# Altium PCB DIOT_temperature_logger.PcbDoc (part 6 of 8)
Units mm, origin at the board's own origin, x right, y up, seen from the top; angles counter-clockwise.
Board outline 300.88 x 109 mm, 4 copper layers (TOP, MID1, MID2, BOT), stack 1.564 mm thick; 654 components, 622 nets, 3422 pads, 1095 vias.
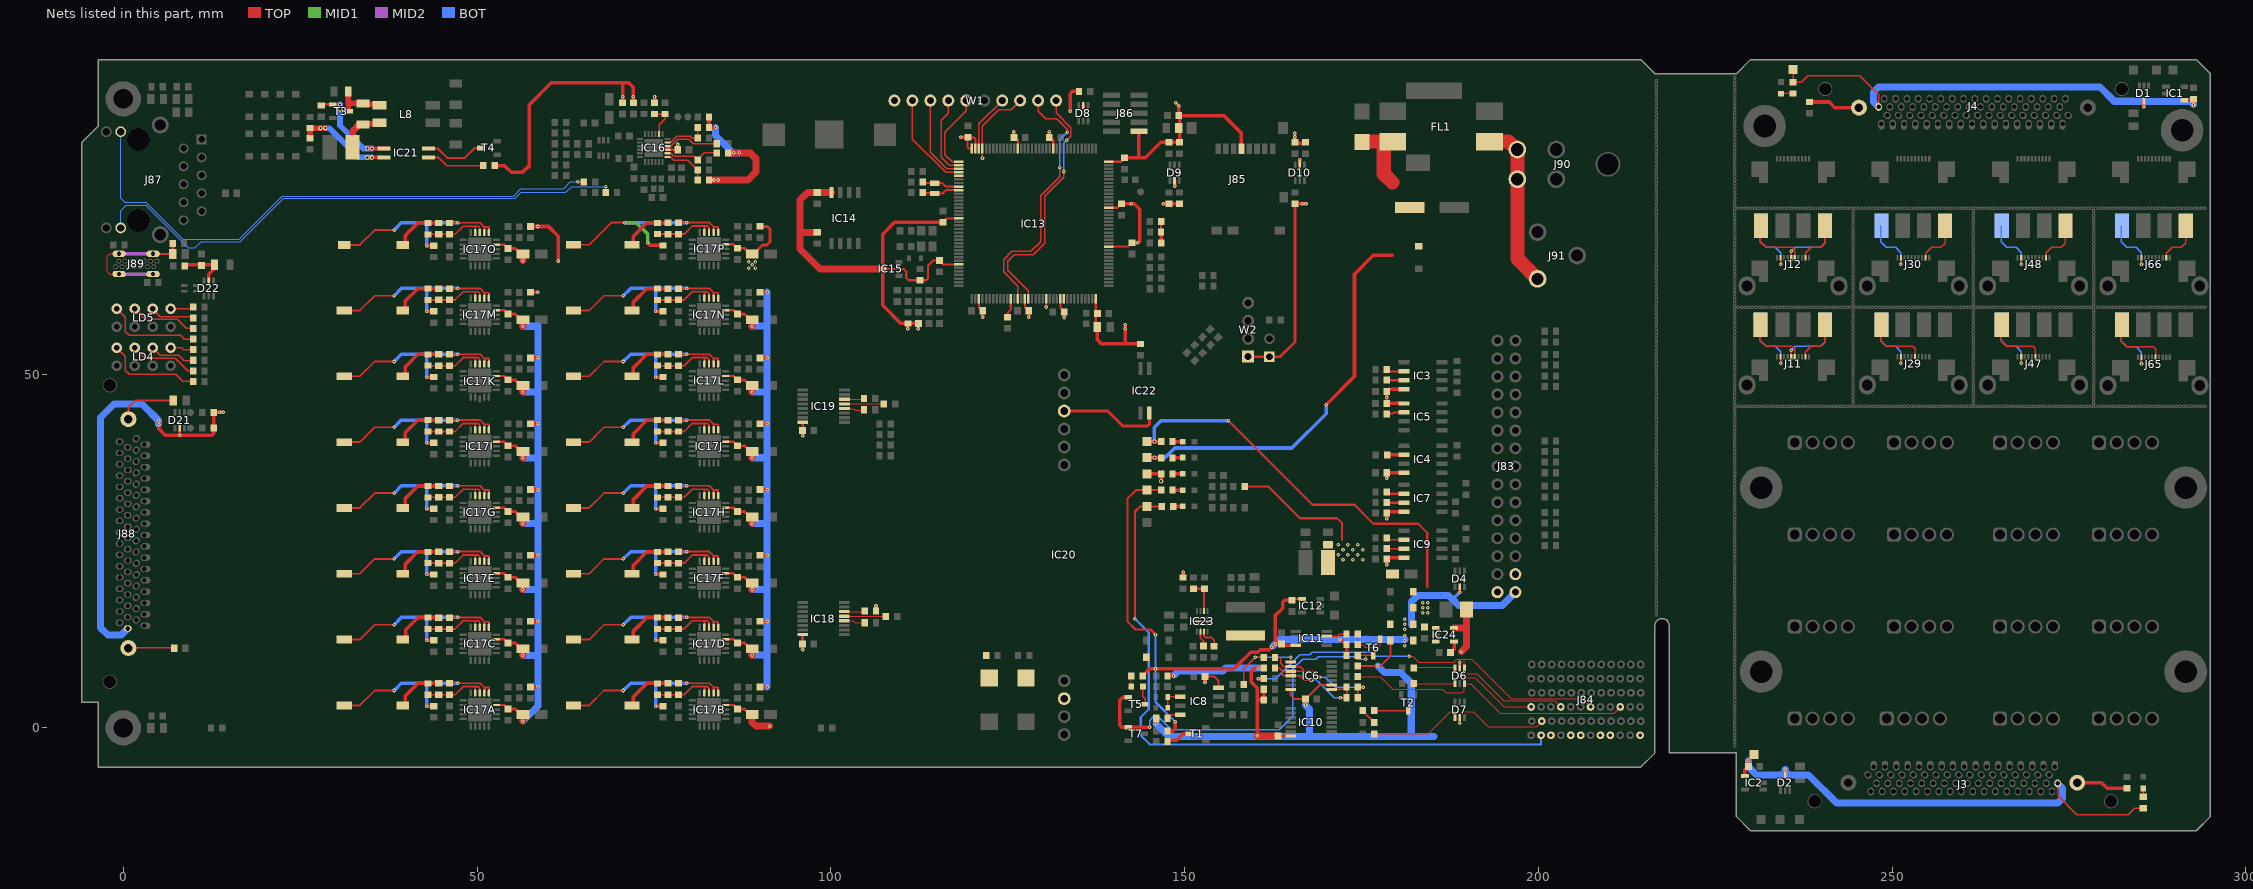
[diagram p8: the nets of this part, all layers, seen from the top]

## Via types
v1: diameter 0.5, hole 0.2, TOP to BOT, tented both sides, 913 vias
v2: diameter 0.5, hole 0.2, TOP to BOT, 98 vias
v3: diameter 0.6, hole 0.3, TOP to BOT, tented both sides, 84 vias

## Nets (pads, with @x,y where several pads share a name; then routed paths per layer and width w, separated by ;. In a path a pad name is that pad's centre, name@x,y a point inside that pad or via, vN(x,y) a via of type N, cw(c..) or ccw(c..) an arc to the next point about the centre after c; other vN are vias at no path point) (continued)
NetC69_2: C69.2 J88.70 | length 8.4
  TOP w0.254: J88.70@0.73,43.625 0.73,45.3 1.68,46.25 C69.2@7.08,46.25
NetC72_2: C72.2 J89.SHIELD R140.1 | length 19.6
  TOP w0.152: J89.SHIELD@-0.59,64.13 -1.925,64.13 -2.27,64.475 -2.27,66.625 -1.905,66.99 J89.SHIELD@-0.59,66.99 ; C72.2@6.94,66.99 C72.2@6.98,66.99
  TOP w0.3: J89.SHIELD@4.21,66.99 C72.2@6.94,66.99
  TOP w0.5: C72.2@6.98,66.99 R140.1@6.98,68.45
  MID2 w0.5: J89.SHIELD@-0.59,64.13 J89.SHIELD@4.21,64.13 ; J89.SHIELD@-0.59,66.99 J89.SHIELD@4.21,66.99
NetC73_2: C73.2 D22.5 F1.2 L5.1 | length 6.7
  TOP w0.5: L5.1@8.68,65.45 11.08,65.45 F1.2@12.78,65.45 ; D22.5@12.08,63.2 12.08,64.125 12.905,64.95 F1.2@12.905,65.45
NetC74_1: C74.1 L8.1 R147.2 T3.3 | length 6.9
  TOP w0.8: R147.2@31.78,89.55 31.78,88.25 ; T3.3@31.805,87.25 31.805,87.275 31.78,87.3 31.78,88.25 ; L8.1@36.23,88.02 36.115,88.135 33.995,88.135 C74.1@33.88,88.25 31.78,88.25
NetC74_2: C74.2 L7.2 L8.2 | length 6.2
  TOP w0.8: C74.2@33.995,85.365 36.115,85.365 L8.2@36.23,85.48
  TOP w1: L7.2@32.38,82.05 L7.2@32.712,82.382 ; L7.2@32.405,82.75 32.405,84.299 33.357,85.25 C74.2@33.88,85.25
NetC79_2: C79.2 IC23.9 | length 2.2
  TOP w0.254: IC23.9@152.23,13.6 152.23,12.7 152.68,12.25 C79.2@152.68,11.55
NetC93_2: C93.2 IC24.4 | length 1.7
  TOP w0.5: C93.2@187.58,10.65 188.08,11.15 IC24.4@188.08,12.15
NetD3_2: D3.2 D5.2 IC8.2 | length 3.1
  TOP w0.2: D3.2@147.63,3.15 147.63,4.45 147.695,4.385 IC8.2@149.38,4.385
NetD6_1: D6.1 J84.L3 R53.1 | length 19
  TOP w0.152: R53.1@182.38,6.25 D6.1@188.23,6.25 188.23,6.85 188.455,7.075 191.065,7.075 195.19,2.95 J84.L3@199.019,2.95
NetD6_3: D6.3 J84.C3 R47.1 | length 41.3
  TOP w0.152: R47.1@174.48,7.25 177.655,7.25 179.43,5.475 186.43,5.475 186.955,4.95 189.205,4.95 189.53,5.275 D6.3@189.53,6.25 190.47,6.25 194.641,2.079 196.426,2.079 196.43,2.075 209.305,2.075 209.309,2.079 210.748,2.079 J84.C3@211.619,2.95
NetD6_4: D6.4 J84.F3 R48.1 | length 54.2
  TOP w0.152: v1(181.755,10.125) 182.23,10.125 183.08,9.275 188.005,9.275 188.455,9.725 189.53,9.725 ; D6.4@189.53,8.45 189.53,9.725 ; J84.F3@207.419,2.95 206.244,4.125 202.439,4.125 202.435,4.129 196.176,4.129 190.58,9.725 189.53,9.725
  TOP w0.5: v1(160.43,6.95) R48.1@161.18,6.95
  BOT w0.2: v1(160.43,6.95) 162.855,6.95 166.255,10.35 167.705,10.35 168.055,10.7 172.805,10.7 176.305,10.7 176.896,10.109 181.739,10.109 v1(181.755,10.125)
NetD6_6: D6.6 J84.I3 R49.1 | length 23.6
  TOP w0.152: R49.1@182.38,8.45 182.48,8.55 188.13,8.55 D6.6@188.23,8.45 188.23,7.85 188.43,7.65 191.28,7.65 195.08,3.85 202.319,3.85 J84.I3@203.219,2.95
NetD7_4: D7.4 J84.K2 R52.1 | length 27.1
  TOP w0.152: R52.1@176.78,-0.85 184.43,-0.85 187.559,2.279 188.23,2.279 ; D7.4@188.23,1.45 188.23,2.279 ; J84.K2@200.519,0.95 199.742,0.173 192.887,0.173 190.781,2.279 188.23,2.279
NetIC3_6: IC3.6 R13.2 | length 2.4
  TOP w0.3: R13.2@178.615,50.385 IC3.6@180.98,50.385
NetIC3_7: IC3.7 R9.2 | length 2
  TOP w0.3: R9.2@178.93,49.115 IC3.7@180.98,49.115
NetIC4_6: IC4.6 R22.2 | length 2.4
  TOP w0.2: R22.2@178.615,38.585 R22.2@178.65,38.62
  TOP w0.5: R22.2@178.615,38.585 IC4.6@180.98,38.585
NetIC5_2: IC5.2 R27.2 | length 2.5
  TOP w0.3: R27.2@178.58,44.45 179.445,44.45 179.58,44.585 IC5.2@180.98,44.585
NetIC6_1: IC6.1 IC6.11 R28.1 R37.1 R38.1 | length 15.8
  TOP w0.2: R28.1@162.78,8.45 163.43,8.45 163.805,8.075 163.805,7.575 164.03,7.35 IC6.11@164.98,7.35 166.255,7.35 166.88,6.725 v1(167.93,6.725) ; IC6.1@170.78,5.4 170.83,5.45 172.58,5.45 R37.1@172.88,5.75 ; v1(172.03,4.25) R38.1@172.88,4.25 ; R38.1@172.88,4.45 R37.1@172.88,5.75 ; R37.1@172.88,5.85 R37.1@172.88,5.75
  BOT w0.2: v1(167.93,6.725) 168.705,6.725 171.18,4.25 v1(172.03,4.25)
NetIC6_8: IC6.8 R35.1 R43.1 | length 11.4
  TOP w0.2: R35.1@158.38,6.15 158.38,8.377 v1(159.953,9.95) ; v1(159.953,9.95) R43.1@161.18,9.95 ; IC6.8@164.98,9.3 v1(164.98,9.95)
  BOT w0.2: v1(159.953,9.95) v1(164.98,9.95)
NetIC6_9: IC6.9 IC6.10 R37.2 R38.2 R43.2 | length 18.6
  TOP w0.2: R43.2@162.78,9.95 163.38,9.95 163.58,9.75 163.58,9.1 164.03,8.65 IC6.9@164.98,8.65 166.355,8.65 166.73,8.275 166.73,8 ; IC6.10@164.98,8 166.73,8 ; v1(169.105,7.175) 168.28,8 166.73,8 ; R38.2@174.48,4.45 R37.2@174.48,5.75 R37.2@174.48,5.85
  TOP w0.5: R37.2@174.48,5.75 v1(175.23,5.75)
  BOT w0.2: v1(169.105,7.175) 169.905,7.175 171.33,5.75 v1(175.23,5.75)
NetIC7_6: IC7.6 R36.2 | length 2.4
  TOP w0.3: R36.2@178.58,33.15 R36.2@178.615,33.185 ; R36.2@178.615,33.085 IC7.6@180.98,33.085
NetIC7_7: IC7.7 R31.2 | length 2.4
  TOP w0.3: R31.2@178.58,31.85 178.615,31.815 IC7.7@180.98,31.815
NetIC8_4: IC8.4 R32.2 | length 2
  TOP w0.2: R32.2@147.58,1.35 148.075,1.845 IC8.4@149.38,1.845
NetIC9_6: IC9.6 R45.2 | length 2.4
  TOP w0.2: R45.2@178.58,26.45 R45.2@178.615,26.485 ; R45.2@178.615,26.585 IC9.6@180.98,26.585
NetIC9_7: IC9.7 R42.2 | length 2.4
  TOP w0.2: R42.2@178.58,25.35 178.615,25.315 IC9.7@180.98,25.315
NetIC11_3: IC11.3 R167.1 | length 2.9
  TOP w0.2: IC11.3@170.08,12.975 171.605,12.975 171.88,13.25 R167.1@172.88,13.25
NetIC13_48: IC13.48 R64.1 | length 2.8
  TOP w0.3: R64.1@124.98,58.05 124.98,58.65 125.43,59.1 IC13.48@125.43,60.625
NetIC16_7: IC16.7 R93.1 R100.2 | length 6.5
  TOP w0.2: IC16.7@76.88,80.7 77.33,80.7 77.805,80.225 79.755,80.225 81.155,78.825 R100.2@81.18,78.85 R93.1@81.18,77.425
NetIC16_8: IC16.8 R94.1 R98.2 | length 7.9
  TOP w0.2: IC16.8@76.88,81.2 77.405,81.2 77.855,80.75 80.68,80.75 R98.2@81.18,80.25 81.18,80.3 82.13,81.25 R94.1@83.98,81.25
NetIC16_10: IC16.10 R102.2 | length 7.7
  TOP w0.2: IC16.10@76.88,82.2 77.355,82.2 78.33,83.175 79.93,83.175 80.58,82.525 83.855,82.525 R102.2@83.88,82.55
NetIC16_11: IC16.11 R92.1 R105.2 | length 6
  TOP w0.2: IC16.11@76.88,82.7 77.33,82.7 78.255,83.625 80.154,83.625 80.429,83.35 R105.2@81.18,83.35 R92.1@81.18,84.55
NetIC16_14: IC16.14 R108.2 R109.2 | length 4.7
  TOP w0.2: R108.2@75.08,86.75 R109.2@76.48,86.75 ; IC16.14@75.73,83.85 75.73,85.225 76.58,86.075 R109.2@76.58,86.75
NetIC17A_1: IC17A.1 IC17A.2 R118A.1 R119A.1 SW1A.1 | length 29
  TOP w0.254: SW1A.1@31.455,3.175 33.441,3.175 35.541,5.275 v1(38.28,5.275) ; R118A.1@45.705,6.3 v1(47.255,6.3) 50.43,6.3 51.03,5.7 ; IC17A.2@51.03,4.925 51.03,5.7 ; IC17A.1@51.68,4.925 51.68,5.7 51.03,5.7
  TOP w0.5: v1(42.88,3.075) R119A.1@43.789,3.075
  BOT w0.5: v1(38.28,5.275) 39.305,6.3 42.88,6.3 ; v1(42.88,3.075) 42.88,6.275 42.905,6.3 v1(47.255,6.3)
NetIC17A_3: IC17A.3 IC17A.4 R116A.2 R117A.2 R118A.2 | length 9.6
  TOP w0.254: R117A.2@42.88,4.675 44.48,4.675 46.88,4.675 48.03,5.825 49.73,5.825 ; IC17A.4@49.73,4.925 49.73,5.825 ; IC17A.3@50.38,4.925 50.38,5.6 50.155,5.825 49.73,5.825
NetIC17B_1: IC17B.1 IC17B.2 R118B.1 R119B.1 SW1B.1 | length 29
  TOP w0.254: SW1B.1@63.855,3.175 65.841,3.175 67.941,5.275 v1(70.68,5.275) ; R118B.1@78.105,6.3 v1(79.655,6.3) 82.83,6.3 83.43,5.7 ; IC17B.2@83.43,4.925 83.43,5.7 ; IC17B.1@84.08,4.925 84.08,5.7 83.43,5.7
  TOP w0.5: v1(75.28,3.075) R119B.1@76.189,3.075
  BOT w0.5: v1(70.68,5.275) 71.705,6.3 75.28,6.3 ; v1(75.28,3.075) 75.28,6.275 75.305,6.3 v1(79.655,6.3)
NetIC17B_3: IC17B.3 IC17B.4 R116B.2 R117B.2 R118B.2 | length 9.6
  TOP w0.254: R117B.2@75.28,4.675 76.88,4.675 79.28,4.675 80.43,5.825 82.13,5.825 ; IC17B.4@82.13,4.925 82.13,5.825 ; IC17B.3@82.78,4.925 82.78,5.6 82.555,5.825 82.13,5.825
NetIC17C_1: IC17C.1 IC17C.2 R118C.1 R119C.1 SW1C.1 | length 29
  TOP w0.254: SW1C.1@31.455,12.475 33.441,12.475 35.541,14.575 v1(38.28,14.575) ; R118C.1@45.705,15.6 v1(47.255,15.6) 50.43,15.6 51.03,15 ; IC17C.2@51.03,14.225 51.03,15 ; IC17C.1@51.68,14.225 51.68,15 51.03,15
  TOP w0.5: v1(42.88,12.375) R119C.1@43.789,12.375
  BOT w0.5: v1(38.28,14.575) 39.305,15.6 42.88,15.6 ; v1(42.88,12.375) 42.88,15.575 42.905,15.6 v1(47.255,15.6)
NetIC17C_3: IC17C.3 IC17C.4 R116C.2 R117C.2 R118C.2 | length 9.6
  TOP w0.254: R117C.2@42.88,13.975 44.48,13.975 46.88,13.975 48.03,15.125 49.73,15.125 ; IC17C.4@49.73,14.225 49.73,15.125 ; IC17C.3@50.38,14.225 50.38,14.9 50.155,15.125 49.73,15.125
NetIC17D_1: IC17D.1 IC17D.2 R118D.1 R119D.1 SW1D.1 | length 29
  TOP w0.254: SW1D.1@63.855,12.475 65.841,12.475 67.941,14.575 v1(70.68,14.575) ; R118D.1@78.105,15.6 v1(79.655,15.6) 82.83,15.6 83.43,15 ; IC17D.2@83.43,14.225 83.43,15 ; IC17D.1@84.08,14.225 84.08,15 83.43,15
  TOP w0.5: v1(75.28,12.375) R119D.1@76.189,12.375
  BOT w0.5: v1(70.68,14.575) 71.705,15.6 75.28,15.6 ; v1(75.28,12.375) 75.28,15.575 75.305,15.6 v1(79.655,15.6)
NetIC17D_3: IC17D.3 IC17D.4 R116D.2 R117D.2 R118D.2 | length 9.6
  TOP w0.254: R117D.2@75.28,13.975 76.88,13.975 79.28,13.975 80.43,15.125 82.13,15.125 ; IC17D.4@82.13,14.225 82.13,15.125 ; IC17D.3@82.78,14.225 82.78,14.9 82.555,15.125 82.13,15.125
NetIC17E_1: IC17E.1 IC17E.2 R118E.1 R119E.1 SW1E.1 | length 29
  TOP w0.254: SW1E.1@31.455,21.775 33.441,21.775 35.541,23.875 v1(38.28,23.875) ; R118E.1@45.705,24.9 v1(47.255,24.9) 50.43,24.9 51.03,24.3 ; IC17E.2@51.03,23.525 51.03,24.3 ; IC17E.1@51.68,23.525 51.68,24.3 51.03,24.3
  TOP w0.5: v1(42.88,21.675) R119E.1@43.789,21.675
  BOT w0.5: v1(38.28,23.875) 39.305,24.9 42.88,24.9 ; v1(42.88,21.675) 42.88,24.875 42.905,24.9 v1(47.255,24.9)
NetIC17E_3: IC17E.3 IC17E.4 R116E.2 R117E.2 R118E.2 | length 9.6
  TOP w0.254: R117E.2@42.88,23.275 44.48,23.275 46.88,23.275 48.03,24.425 49.73,24.425 ; IC17E.4@49.73,23.525 49.73,24.425 ; IC17E.3@50.38,23.525 50.38,24.2 50.155,24.425 49.73,24.425
NetIC17F_1: IC17F.1 IC17F.2 R118F.1 R119F.1 SW1F.1 | length 29
  TOP w0.254: SW1F.1@63.855,21.775 65.841,21.775 67.941,23.875 v1(70.68,23.875) ; R118F.1@78.105,24.9 v1(79.655,24.9) 82.83,24.9 83.43,24.3 ; IC17F.2@83.43,23.525 83.43,24.3 ; IC17F.1@84.08,23.525 84.08,24.3 83.43,24.3
  TOP w0.5: v1(75.28,21.675) R119F.1@76.189,21.675
  BOT w0.5: v1(70.68,23.875) 71.705,24.9 75.28,24.9 ; v1(75.28,21.675) 75.28,24.875 75.305,24.9 v1(79.655,24.9)
NetIC17F_3: IC17F.3 IC17F.4 R116F.2 R117F.2 R118F.2 | length 9.6
  TOP w0.254: R117F.2@75.28,23.275 76.88,23.275 79.28,23.275 80.43,24.425 82.13,24.425 ; IC17F.4@82.13,23.525 82.13,24.425 ; IC17F.3@82.78,23.525 82.78,24.2 82.555,24.425 82.13,24.425
NetIC17G_1: IC17G.1 IC17G.2 R118G.1 R119G.1 SW1G.1 | length 29
  TOP w0.254: SW1G.1@31.455,31.075 33.441,31.075 35.541,33.175 v1(38.28,33.175) ; R118G.1@45.705,34.2 v1(47.255,34.2) 50.43,34.2 51.03,33.6 ; IC17G.2@51.03,32.825 51.03,33.6 ; IC17G.1@51.68,32.825 51.68,33.6 51.03,33.6
  TOP w0.5: v1(42.88,30.975) R119G.1@43.789,30.975
  BOT w0.5: v1(38.28,33.175) 39.305,34.2 42.88,34.2 ; v1(42.88,30.975) 42.88,34.175 42.905,34.2 v1(47.255,34.2)
NetIC17G_3: IC17G.3 IC17G.4 R116G.2 R117G.2 R118G.2 | length 9.6
  TOP w0.254: R117G.2@42.88,32.575 44.48,32.575 46.88,32.575 48.03,33.725 49.73,33.725 ; IC17G.4@49.73,32.825 49.73,33.725 ; IC17G.3@50.38,32.825 50.38,33.5 50.155,33.725 49.73,33.725
NetIC17H_1: IC17H.1 IC17H.2 R118H.1 R119H.1 SW1H.1 | length 29
  TOP w0.254: SW1H.1@63.855,31.075 65.841,31.075 67.941,33.175 v1(70.68,33.175) ; R118H.1@78.105,34.2 v1(79.655,34.2) 82.83,34.2 83.43,33.6 ; IC17H.2@83.43,32.825 83.43,33.6 ; IC17H.1@84.08,32.825 84.08,33.6 83.43,33.6
  TOP w0.5: v1(75.28,30.975) R119H.1@76.189,30.975
  BOT w0.5: v1(70.68,33.175) 71.705,34.2 75.28,34.2 ; v1(75.28,30.975) 75.28,34.175 75.305,34.2 v1(79.655,34.2)
NetIC17H_3: IC17H.3 IC17H.4 R116H.2 R117H.2 R118H.2 | length 9.6
  TOP w0.254: R117H.2@75.28,32.575 76.88,32.575 79.28,32.575 80.43,33.725 82.13,33.725 ; IC17H.4@82.13,32.825 82.13,33.725 ; IC17H.3@82.78,32.825 82.78,33.5 82.555,33.725 82.13,33.725
NetIC17I_1: IC17I.1 IC17I.2 R118I.1 R119I.1 SW1I.1 | length 29
  TOP w0.254: SW1I.1@31.455,40.375 33.441,40.375 35.541,42.475 v1(38.28,42.475) ; R118I.1@45.705,43.5 v1(47.255,43.5) 50.43,43.5 51.03,42.9 ; IC17I.2@51.03,42.125 51.03,42.9 ; IC17I.1@51.68,42.125 51.68,42.9 51.03,42.9
  TOP w0.5: v1(42.88,40.275) R119I.1@43.789,40.275
  BOT w0.5: v1(38.28,42.475) 39.305,43.5 42.88,43.5 ; v1(42.88,40.275) 42.88,43.475 42.905,43.5 v1(47.255,43.5)
NetIC17I_3: IC17I.3 IC17I.4 R116I.2 R117I.2 R118I.2 | length 9.6
  TOP w0.254: R117I.2@42.88,41.875 44.48,41.875 46.88,41.875 48.03,43.025 49.73,43.025 ; IC17I.4@49.73,42.125 49.73,43.025 ; IC17I.3@50.38,42.125 50.38,42.8 50.155,43.025 49.73,43.025
NetIC17J_1: IC17J.1 IC17J.2 R118J.1 R119J.1 SW1J.1 | length 29
  TOP w0.254: SW1J.1@63.855,40.375 65.841,40.375 67.941,42.475 v1(70.68,42.475) ; R118J.1@78.105,43.5 v1(79.655,43.5) 82.83,43.5 83.43,42.9 ; IC17J.2@83.43,42.125 83.43,42.9 ; IC17J.1@84.08,42.125 84.08,42.9 83.43,42.9
  TOP w0.5: v1(75.28,40.275) R119J.1@76.189,40.275
  BOT w0.5: v1(70.68,42.475) 71.705,43.5 75.28,43.5 ; v1(75.28,40.275) 75.28,43.475 75.305,43.5 v1(79.655,43.5)
NetIC17J_3: IC17J.3 IC17J.4 R116J.2 R117J.2 R118J.2 | length 9.6
  TOP w0.254: R117J.2@75.28,41.875 76.88,41.875 79.28,41.875 80.43,43.025 82.13,43.025 ; IC17J.4@82.13,42.125 82.13,43.025 ; IC17J.3@82.78,42.125 82.78,42.8 82.555,43.025 82.13,43.025
NetIC17K_1: IC17K.1 IC17K.2 R118K.1 R119K.1 SW1K.1 | length 29
  TOP w0.254: SW1K.1@31.455,49.675 33.441,49.675 35.541,51.775 v1(38.28,51.775) ; R118K.1@45.705,52.8 v1(47.255,52.8) 50.43,52.8 51.03,52.2 ; IC17K.2@51.03,51.425 51.03,52.2 ; IC17K.1@51.68,51.425 51.68,52.2 51.03,52.2
  TOP w0.5: v1(42.88,49.575) R119K.1@43.789,49.575
  BOT w0.5: v1(38.28,51.775) 39.305,52.8 42.88,52.8 ; v1(42.88,49.575) 42.88,52.775 42.905,52.8 v1(47.255,52.8)
NetIC17K_3: IC17K.3 IC17K.4 R116K.2 R117K.2 R118K.2 | length 9.6
  TOP w0.254: R117K.2@42.88,51.175 44.48,51.175 46.88,51.175 48.03,52.325 49.73,52.325 ; IC17K.4@49.73,51.425 49.73,52.325 ; IC17K.3@50.38,51.425 50.38,52.1 50.155,52.325 49.73,52.325
NetIC17L_1: IC17L.1 IC17L.2 R118L.1 R119L.1 SW1L.1 | length 29
  TOP w0.254: SW1L.1@63.855,49.675 65.841,49.675 67.941,51.775 v1(70.68,51.775) ; R118L.1@78.105,52.8 v1(79.655,52.8) 82.83,52.8 83.43,52.2 ; IC17L.2@83.43,51.425 83.43,52.2 ; IC17L.1@84.08,51.425 84.08,52.2 83.43,52.2
  TOP w0.5: v1(75.28,49.575) R119L.1@76.189,49.575
  BOT w0.5: v1(70.68,51.775) 71.705,52.8 75.28,52.8 ; v1(75.28,49.575) 75.28,52.775 75.305,52.8 v1(79.655,52.8)
NetIC17L_3: IC17L.3 IC17L.4 R116L.2 R117L.2 R118L.2 | length 9.6
  TOP w0.254: R117L.2@75.28,51.175 76.88,51.175 79.28,51.175 80.43,52.325 82.13,52.325 ; IC17L.4@82.13,51.425 82.13,52.325 ; IC17L.3@82.78,51.425 82.78,52.1 82.555,52.325 82.13,52.325
NetIC17M_1: IC17M.1 IC17M.2 R118M.1 R119M.1 SW1M.1 | length 29
  TOP w0.254: SW1M.1@31.455,58.975 33.441,58.975 35.541,61.075 v1(38.28,61.075) ; R118M.1@45.705,62.1 v1(47.255,62.1) 50.43,62.1 51.03,61.5 ; IC17M.2@51.03,60.725 51.03,61.5 ; IC17M.1@51.68,60.725 51.68,61.5 51.03,61.5
  TOP w0.5: v1(42.88,58.875) R119M.1@43.789,58.875
  BOT w0.5: v1(38.28,61.075) 39.305,62.1 42.88,62.1 ; v1(42.88,58.875) 42.88,62.075 42.905,62.1 v1(47.255,62.1)
NetIC17M_3: IC17M.3 IC17M.4 R116M.2 R117M.2 R118M.2 | length 9.6
  TOP w0.254: R117M.2@42.88,60.475 44.48,60.475 46.88,60.475 48.03,61.625 49.73,61.625 ; IC17M.4@49.73,60.725 49.73,61.625 ; IC17M.3@50.38,60.725 50.38,61.4 50.155,61.625 49.73,61.625
NetIC17N_1: IC17N.1 IC17N.2 R118N.1 R119N.1 SW1N.1 | length 29
  TOP w0.254: SW1N.1@63.855,58.975 65.841,58.975 67.941,61.075 v1(70.68,61.075) ; R118N.1@78.105,62.1 v1(79.655,62.1) 82.83,62.1 83.43,61.5 ; IC17N.2@83.43,60.725 83.43,61.5 ; IC17N.1@84.08,60.725 84.08,61.5 83.43,61.5
  TOP w0.5: v1(75.28,58.875) R119N.1@76.189,58.875
  BOT w0.5: v1(70.68,61.075) 71.705,62.1 75.28,62.1 ; v1(75.28,58.875) 75.28,62.075 75.305,62.1 v1(79.655,62.1)
NetIC17N_3: IC17N.3 IC17N.4 R116N.2 R117N.2 R118N.2 | length 9.6
  TOP w0.254: R117N.2@75.28,60.475 76.88,60.475 79.28,60.475 80.43,61.625 82.13,61.625 ; IC17N.4@82.13,60.725 82.13,61.625 ; IC17N.3@82.78,60.725 82.78,61.4 82.555,61.625 82.13,61.625
NetIC17O_1: IC17O.1 IC17O.2 R118O.1 R119O.1 SW1O.1 | length 29
  TOP w0.254: SW1O.1@31.455,68.25 33.441,68.25 35.541,70.35 v1(38.28,70.35) ; R118O.1@45.705,71.375 v1(47.255,71.375) 50.43,71.375 51.03,70.775 ; IC17O.2@51.03,70 51.03,70.775 ; IC17O.1@51.68,70 51.68,70.775 51.03,70.775
  TOP w0.5: v1(42.88,68.15) R119O.1@43.789,68.15
  BOT w0.5: v1(38.28,70.35) 39.305,71.375 42.88,71.375 ; v1(42.88,68.15) 42.88,71.35 42.905,71.375 v1(47.255,71.375)
NetIC17O_3: IC17O.3 IC17O.4 R116O.2 R117O.2 R118O.2 | length 9.6
  TOP w0.254: R117O.2@42.88,69.75 44.48,69.75 46.88,69.75 48.03,70.9 49.73,70.9 ; IC17O.4@49.73,70 49.73,70.9 ; IC17O.3@50.38,70 50.38,70.675 50.155,70.9 49.73,70.9
NetIC17P_1: IC17P.1 IC17P.2 R118P.1 R119P.1 SW1P.1 | length 32.2
  TOP w0.254: SW1P.1@63.855,68.275 65.841,68.275 68.966,71.4 v1(70.88,71.4) ; R118P.1@78.105,71.4 v1(79.655,71.4) 82.83,71.4 83.43,70.8 ; IC17P.2@83.43,70.025 83.43,70.8 ; IC17P.1@84.08,70.025 84.08,70.8 83.43,70.8
  TOP w0.5: v1(74.105,68.55) 74.48,68.175 R119P.1@76.189,68.175
  MID1 w0.5: v1(70.88,71.4) 72.505,71.4 74.105,69.8 v1(74.105,68.55)
  BOT w0.5: v1@70.905,71.4 75.28,71.4 ; 75.305,71.4 v1(79.655,71.4)
NetIC17P_3: IC17P.3 IC17P.4 R116P.2 R117P.2 R118P.2 | length 9.6
  TOP w0.254: R117P.2@75.28,69.775 76.88,69.775 79.28,69.775 80.43,70.925 82.13,70.925 ; IC17P.4@82.13,70.025 82.13,70.925 ; IC17P.3@82.78,70.025 82.78,70.7 82.555,70.925 82.13,70.925
NetIC18_4: IC18.4 R127.2 | length 2.6
  TOP w0.171: IC18.4@102.155,15.125 103.18,15.125 103.455,14.85 R127.2@104.655,14.85
NetIC18_5: IC18.5 R125.2 | length 5.3
  TOP w0.171: IC18.5@102.155,15.775 107.43,15.775 R125.2@107.455,15.75
NetIC18_6: IC18.6 R123.2 | length 2.5
  TOP w0.171: IC18.6@102.155,16.425 104.63,16.425 R123.2@104.655,16.45
NetIC19_4: IC19.4 R128.2 | length 2.6
  TOP w0.171: IC19.4@102.18,45.125 103.205,45.125 103.48,44.85 R128.2@104.68,44.85
NetIC19_5: IC19.5 R126.2 | length 5.3
  TOP w0.171: IC19.5@102.18,45.775 107.455,45.775 R126.2@107.48,45.75
NetIC19_6: IC19.6 R124.2 | length 2.5
  TOP w0.171: IC19.6@102.18,46.425 104.655,46.425 R124.2@104.68,46.45
NetIC20_3: IC20.3 IC22.2 | length 14.6
  TOP w0.4: IC20.3@132.98,44.776 139.129,44.776 141.255,42.65 144.755,42.65 145.015,42.91 IC22.2@145.015,44.5
NetIC21_1: IC21.1 R144.1 | length 8.2
  TOP w0.254: IC21.1@43.13,80.615 44.54,80.615 45.705,79.45 R144.1@50.88,79.45
NetIC21_2: IC21.2 T4.3 | length 8.5
  TOP w0.3: IC21.2@43.13,81.885 44.445,81.885 45.78,80.55 48.255,80.55 49.655,81.95 T4.3@50.53,81.95
NetIC21_3: IC21.3 R150.2 T3.1 | length 15.2
  TOP w0.127: v3@30.62,88.1 v3(30.63,88.11)
  TOP w0.4: R150.2@27.98,87.95 28.155,88.125 T3.1@29.605,88.125 ; T3.1@29.63,88.1 v3@30.62,88.1
  TOP w0.5: v3(30.63,87.41) v3(30.63,88.11) ; v3@34.48,81.875 IC21.3@37.465,81.875
  BOT w0.8: v3(30.63,88.11) v3(30.63,87.41) 30.63,85.15 33.905,81.875 v3(34.505,81.875) v3(35.155,81.875)
NetIC21_4: IC21.4 R143.1 R149.2 | length 14.6
  TOP w0.5: v3(34.48,80.625) v3(35.13,80.625) IC21.4@36.805,80.625
  TOP w0.8: R143.1@26.38,83.45 R149.2@26.38,84.75 ; R149.2@26.58,84.75 v3(27.855,84.75) v3(28.555,84.75)
  BOT w0.8: v3(27.855,84.75) v3(28.555,84.75) ; v3(28.555,84.75) 28.955,84.75 ; 28.955,84.75 29.105,84.75 33.23,80.625 v3(34.48,80.625) v3(35.13,80.625)
NetIC23_2: IC23.2 L10.1
NetIC23_5: IC23.5 R153.1 R155.1 | length 4.6
  TOP w0.254: IC23.5@152.73,16.5 R153.1@152.73,19.65
  TOP w0.3: R155.1@151.28,19.65 R153.1@152.73,19.65
NetIC23_10: IC23.10 R154.2 | length 3.1
  TOP w0.254: IC23.10@152.73,13.6 152.73,13.025 153.005,12.75 153.805,12.75 154.18,12.375 R154.2@154.18,11.55
NetJ3_69: J3.69 R2.1 | length 7.3
  TOP w0.5: J3.69@276.155,-7.75 279.58,-7.75 280.38,-8.55 R2.1@283.155,-8.55
NetJ4_69: J4.69 R3.1 | length 7.3
  TOP w0.5: R3.1@238.305,88.45 241.08,88.45 241.88,87.65 J4.69@245.305,87.65
NetJ87_L1: J87.L1 R95.1 | length 80.6
  TOP w0.152: v1(64.205,77.15) R95.1@65.08,77.15
  BOT w0.152: J87.L1@-0.37,84.25 -0.37,74.875 0.242,74.263 3.193,74.263 8.405,69.05 16.405,69.05 22.48,75.125 55.155,75.125 56.205,76.175 62.23,76.175 63.205,77.15 v1(64.205,77.15)
NetJ87_L3: J87.L3 R111.1 | length 78.3
  TOP w0.152: R111.1@68.18,75.65 v1(68.18,76.5)
  BOT w0.152: J87.L3@-0.37,70.65 -0.37,73.1 0.405,73.875 3.155,73.875 9.205,67.825 10.105,67.825 11.005,68.725 16.53,68.725 22.651,74.846 55.401,74.846 56.242,75.688 62.567,75.688 63.38,76.5 v1(68.18,76.5)
NetJ88_69: J88.69 R122.1 | length 6.6
  TOP w0.254: J88.69@0.73,11.275 0.78,11.325 R122.1@7.261,11.325
NetLD1_2: LD1.2 R1.1 | length 1.7
  TOP w0.2: LD1.2@234.28,89.625 234.305,89.65 R1.1@235.98,89.65
NetLD2_2: LD2.2 R4.1 | length 1.2
  TOP w0.2: R4.1@285.48,-9.75 LD2.2@285.48,-8.575
NetLD3_1: LD3.1 T5.3 | length 2.6
  TOP w0.2: LD3.1@144.105,5.85 144.105,4.45 144.43,4.125 T5.3@144.43,3.35
NetLD3_2: LD3.2 R55.1 | length 1.5
  TOP w0.152: LD3.2@142.455,5.85 142.48,5.875 R55.1@142.48,7.35
NetLD4_2: LD4.2 R78.2 | length 14
  TOP w0.2: LD4.2@-0.93,53.72 0.28,52.51 0.28,50.5 0.83,49.95 7.398,49.95 8.398,48.95 R78.2@9.88,48.95
NetLD4_4: LD4.4 R81.2 | length 9.6
  TOP w0.2: LD4.4@1.61,53.72 3.105,52.225 7.33,52.225 9.105,50.45 R81.2@9.88,50.45
NetLD4_6: LD4.6 R82.2 | length 6.5